# Altium PCB SeaBOX-PoE-HDMI-Stick.PcbDoc (part 2 of 2)
Units mm, origin at the board's own origin, x right, y up, seen from the top; angles counter-clockwise.
Board outline 66 x 66 mm, 4 copper layers (Top Layer, GND1, Power, Bottom), stack 1.57 mm thick; 62 components, 103 nets, 425 pads, 339 vias.
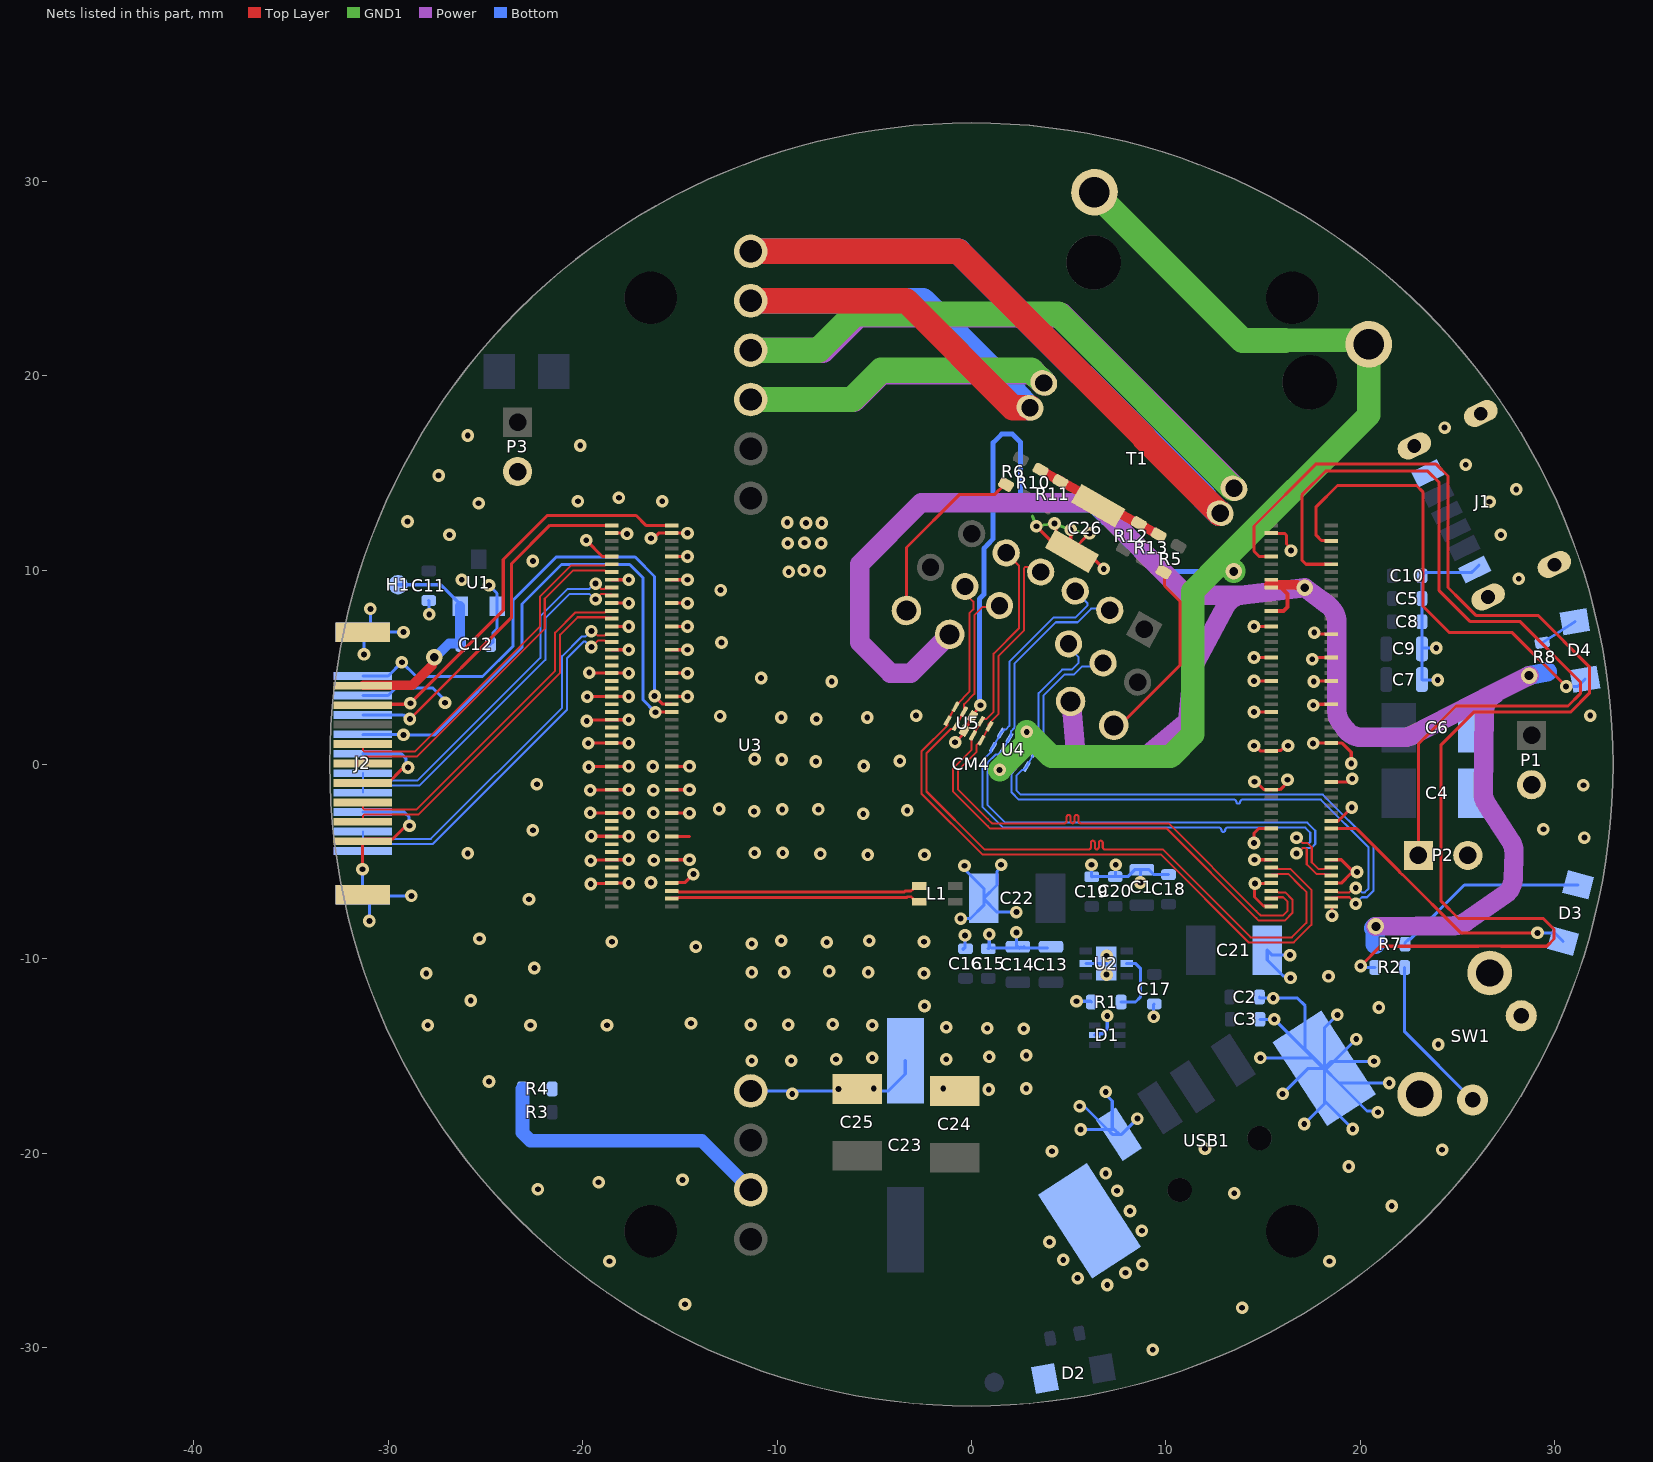
[diagram p4: the nets of this part, all layers, seen from the top]

## Via types
v1: diameter 0.65, hole 0.3, Top Layer to Bottom, tented both sides, 280 vias
v2: diameter 0.85, hole 0.45, Top Layer to Bottom, tented both sides, 59 vias

## Nets (pads, with @x,y where several pads share a name; then routed paths per layer and width w, separated by ;. In a path a pad name is that pad's centre, name@x,y a point inside that pad or via, vN(x,y) a via of type N, cw(c..) or ccw(c..) an arc to the next point about the centre after c; other vN are vias at no path point) (continued)
GND: C1.2 C2.2 C3.1 C4.2 C5.2 C6.2 C7.2 C8.2 C9.2 C10.2 C11.1 C12.1 C13.2 C14.2 C15.1 C16.1 C17.1 C18.1 C19.1 C20.1 C21.1 C22.1 C23.1 C24.1 C25.1 C26.1 CM4.1 CM4.2 CM4.7 CM4.8 CM4.13 CM4.14 CM4.22 CM4.23 CM4.32 CM4.33 CM4.42 CM4.43 CM4.52 CM4.53 CM4.59 CM4.60 CM4.65 CM4.66 CM4.71 CM4.74 CM4.98 CM4.107 CM4.108 CM4.113 CM4.114 CM4.119 CM4.120 CM4.125 CM4.126 CM4.131 CM4.132 CM4.137 CM4.138 CM4.144 CM4.150 CM4.155 CM4.156 CM4.161 CM4.162 CM4.167 CM4.168 CM4.173 CM4.174 CM4.179 CM4.180 CM4.185 CM4.186 CM4.191 CM4.192 CM4.197 CM4.198 D1.2 D2.C J1.A12 J1.B12 J1.S1 J1.S2 J1.S3 J1.S4 J2.0 J2.2 J2.5 J2.8 J2.11 J2.17 P1.2 P2.2 P3.2 R1.1 R4.2 SW1.1 SW1.PE1 SW1.PE2 U1.1 U2.5 U2.7 U3.7 USB1.G USB1.SH1 USB1.SH2 | length 200.7
  Top Layer w0.159: v1(-31.318,-5.385) -31.318,-3.967 -31.18,-3.829 -29.762,-3.829 -29.177,-3.244 -28.999,-3.244 v1(-28.905,-3.15) ; J2.8@-31.3,-0.949 -30,-0.949 -29.297,-0.246 -29.075,-0.246 v1(-28.981,-0.152) ; v1(-19.812,11.532) -18.98,10.7 CM4.192@-18.5,10.7 ; v1(-19.787,2.235) -19.742,2.279 -18.521,2.279 CM4.150@-18.5,2.3 v1(-17.628,2.3) ; v1(-19.761,3.48) -19.751,3.49 -18.51,3.49 CM4.156@-18.5,3.5 v1(-17.628,3.5) ; v1(-19.71,1.092) -19.707,1.096 -18.504,1.096 CM4.144@-18.5,1.1 v1(-17.628,1.1) ; v1(-19.685,-0.127) -19.671,-0.113 -18.513,-0.113 CM4.138@-18.5,-0.1 v1(-17.628,-0.1) ; v1(-19.66,4.724) -19.647,4.712 -18.512,4.712 CM4.162@-18.5,4.7 v1(-17.628,4.7) ; v1(-19.609,-2.489) -19.603,-2.495 -18.505,-2.495 CM4.126@-18.5,-2.5 v1(-17.628,-2.5) ; v1(-19.609,-1.321) -19.598,-1.31 -18.51,-1.31 CM4.132@-18.5,-1.3 v1(-17.628,-1.3) ; v1(-19.583,-6.147) -19.557,-6.121 -18.521,-6.121 CM4.108@-18.5,-6.1 v1(-17.628,-6.1) ; v1(-19.583,-4.953) -19.551,-4.921 -18.521,-4.921 CM4.114@-18.5,-4.9 v1(-17.628,-4.9) ; v1(-19.558,-3.683) -19.55,-3.691 -18.508,-3.691 CM4.120@-18.5,-3.7 v1(-17.628,-3.7) ; CM4.168@-18.5,5.9 v1(-17.628,5.9) ; CM4.174@-18.5,7.1 v1(-17.628,7.1) ; CM4.180@-18.5,8.3 v1(-17.628,8.3) ; CM4.186@-18.5,9.5 v1(-17.628,9.5) ; CM4.198@-18.5,11.9 -17.755,11.9 v1(-17.713,11.858) ; v1(-16.485,11.633) -16.352,11.633 -16.085,11.9 v1(-14.605,11.9) ; CM4.107@-15.42,-6.1 -15.399,-6.079 -14.741,-6.079 v1(-14.3,-5.639) ; CM4.113@-15.42,-4.9 v1(-14.503,-4.9) ; CM4.119@-15.42,-3.7 -14.503,-3.7 ; CM4.125@-15.42,-2.5 v1(-14.503,-2.5) ; CM4.131@-15.42,-1.3 v1(-14.503,-1.3) ; CM4.137@-15.42,-0.1 v1(-14.503,-0.1) ; CM4.155@-15.42,3.5 v1(-14.605,3.5) ; CM4.161@-15.42,4.7 v1(-14.605,4.7) ; CM4.167@-15.42,5.9 v1(-14.605,5.9) ; CM4.173@-15.42,7.1 v1(-14.605,7.1) ; CM4.179@-15.42,8.3 v1(-14.605,8.3) ; CM4.185@-15.42,9.5 v1(-14.605,9.5) ; CM4.191@-15.42,10.7 v1(-14.605,10.7) ; v1(3.34,12.256) 4.624,10.972 C26.1@5.167,10.972 ; v1(4.267,12.395) 4.349,12.313 4.349,11.79 C26.1@5.105,11.034 ; v1(5.105,12.065) C26.1@5.105,11.034 ; v1(6.071,11.887) 5.167,10.984 C26.1@5.167,10.972 ; v1(6.807,10.058) 6.8,10.058 5.886,10.972 C26.1@5.167,10.972 ; v1(14.529,-4.039) 14.529,-3.531 14.759,-3.3 CM4.22@15.42,-3.3 ; v1(14.529,0.963) 14.585,0.963 14.849,0.7 CM4.42@15.42,0.7 15.441,0.721 15.906,0.721 16.149,0.963 v1(16.281,0.963) ; v1(14.529,2.7) CM4.52@15.42,2.7 ; v1(14.529,4.3) CM4.60@15.42,4.3 ; v1(14.529,5.5) CM4.66@15.42,5.5 ; v1(14.529,7.1) CM4.74@15.42,7.1 ; v1(14.554,-4.902) v1(14.554,-4.902) 15.419,-4.901 CM4.14@15.42,-4.9 ; v1(14.554,-0.889) 14.631,-0.889 15.021,-1.279 CM4.32@15.42,-1.279 ; CM4.2@15.42,-7.3 15.399,-7.279 15.022,-7.279 14.554,-6.812 14.554,-6.147 v1(14.58,-6.121) 14.59,-6.111 15.409,-6.111 CM4.8@15.42,-6.1 ; CM4.32@15.42,-1.3 15.425,-1.295 15.875,-1.295 16.256,-0.914 v1(16.256,-0.787) ; CM4.98@15.42,11.9 15.441,11.879 16.112,11.879 16.205,11.786 16.205,11.337 16.434,11.108 v1(16.434,10.998) ; v1(17.526,5.41) 17.616,5.5 CM4.65@18.5,5.5 ; v1(17.571,1.086) 17.585,1.1 19.062,1.1 19.533,0.63 v1(19.533,0.051) ; v1(17.577,3.048) 17.629,3.1 CM4.53@18.5,3.1 ; v1(17.602,4.267) 17.635,4.3 CM4.59@18.5,4.3 ; v1(17.628,6.782) 17.692,6.717 18.483,6.717 CM4.71@18.5,6.7 ; CM4.1@18.5,-7.3 18.521,-7.3 18.542,-7.321 v1(18.542,-7.772) ; CM4.7@18.5,-6.1 19.021,-6.1 19.498,-5.623 19.738,-5.623 v1(19.832,-5.529) 19.832,-5.505 19.825,-5.499 v1@19.723,-5.499 ; CM4.13@18.5,-4.9 19.022,-4.9 19.558,-5.435 19.761,-5.435 v1@19.774,-5.448 ; CM4.23@18.5,-2.9 18.868,-2.9 18.936,-2.832 18.946,-2.832 19.082,-2.696 19.082,-2.686 v1(19.558,-2.21) ; CM4.33@18.5,-0.9 18.506,-0.894 19.426,-0.894 v1(19.583,-0.737) ; C26.1@5.105,11.034 C26.1@5.167,10.972
  GND1 w0.159: 3.129,12.767 v1(3.34,12.256) v1(4.267,12.395) v1(5.105,12.065) v1(6.071,11.887)
  Bottom w0.159: v1(-31.318,-5.385) -31.318,-6.681 J2.0@-31.3,-6.699 J2.0@-31.243,-6.756 ; J2.5@-31.3,-2.449 -29.174,-2.449 -28.929,-2.694 -28.929,-3.126 v1(-28.905,-3.15) ; J2.11@-31.3,0.551 -29.329,0.551 -29.075,0.297 -29.075,-0.058 v1(-28.981,-0.152) ; J2.17@-31.3,3.551 -30,3.551 -29.614,3.937 -27.706,3.937 -27.395,3.627 -27.076,3.308 v1(-27.076,3.175) ; v1(-31.242,5.664) -31.242,6.743 J2.0@-31.3,6.801 J2.0@-31.294,6.807 ; v1(-30.963,-8.052) -30.963,-7.037 J2.0@-31.243,-6.756 ; v1(-30.912,8.001) -30.912,7.189 J2.0@-31.294,6.807 ; v1(-29.21,6.807) J2.0@-31.294,6.807 ; v1(-28.804,-6.756) J2.0@-31.243,-6.756 ; C11.1@-27.915,8.433 -27.889,8.407 v1(-27.889,7.722) ; v1(-24.816,9.22) -24.399,8.804 U1.1@-24.399,8.147 -24.399,6.995 -24.603,6.792 -24.603,6.309 C12.1@-24.74,6.172 ; U3.7@-11.354,-16.789 -4.274,-16.789 -3.404,-15.919 C23.1@-3.404,-15.233 ; v1(-0.559,-7.925) -0.048,-7.925 0.635,-7.242 C22.1@0.635,-6.912 ; C16.1@-0.432,-9.525 C16.1@-0.381,-9.474 ; C16.1@-0.432,-9.461 -0.381,-9.461 C16.1@-0.381,-9.474 ; v1(-0.356,-5.207) -0.262,-5.301 -0.262,-5.479 0.635,-6.375 C22.1@0.635,-6.883 ; v1(-0.33,-8.788) -0.33,-9.423 C16.1@-0.381,-9.474 ; C15.1@0.864,-9.474 0.914,-9.423 v1(0.914,-8.738) ; C15.1@1.041,-9.436 C14.2@2.502,-9.436 ; v1(1.524,-5.156) 1.524,-5.289 1.318,-5.496 1.318,-6.201 C22.1@0.635,-6.883 ; v1(2.311,-8.636) 2.311,-9.296 C14.2@2.388,-9.373 ; v1(2.311,-7.595) 1.318,-7.595 C22.1@0.635,-6.912 ; C14.2@2.476,-9.461 C14.2@2.502,-9.436 ; C14.2@2.54,-9.398 C14.2@2.502,-9.436 ; C14.2@2.667,-9.398 C14.2@2.705,-9.36 ; C13.2@3.899,-9.436 C14.2@2.502,-9.436 ; v1(5.402,-12.177) 6.132,-12.177 R1.1@6.172,-12.217 ; v1(5.563,-17.577) 5.657,-17.671 5.893,-17.671 USB1.G@6.993,-18.771 ; v1(5.613,-18.771) USB1.G@6.993,-18.771 ; U2.5@5.884,-10.236 U2.7@6.934,-10.236 ; v1(6.172,-5.156) 6.172,-5.759 C19.1@6.189,-5.776 6.194,-5.771 7.386,-5.771 C20.1@7.391,-5.766 ; D1.2@6.335,-13.919 6.406,-13.849 6.725,-13.849 6.985,-13.589 v1(6.985,-12.929) ; v1(6.909,-16.84) 6.909,-16.973 7.24,-17.305 7.24,-18.668 USB1.G@7.343,-18.771 ; USB1.G@7.417,-18.845 USB1.G@7.343,-18.771 ; v1(7.417,-5.156) 7.417,-5.74 C20.1@7.391,-5.766 ; v1(8.534,-18.212) 7.724,-19.022 USB1.G@7.594,-19.022 ; v1(8.687,-6.071) 8.687,-5.486 C1.2@8.763,-5.41 ; v1(9.373,-12.979) 9.373,-12.344 C17.1@9.398,-12.319 ; C18.1@10.135,-5.664 9.387,-5.664 9.133,-5.41 C1.2@8.763,-5.41 ; C2.2@14.808,-11.963 14.859,-12.014 v1(15.519,-12.014) 16.764,-12.014 17.161,-12.412 17.161,-14.64 USB1.SH1@17.609,-15.088 ; C3.1@14.834,-13.106 v1(15.57,-13.106) USB1.SH1@17.551,-15.088 ; v1(14.859,-15.088) USB1.SH1@17.551,-15.088 ; v1(16.002,-16.942) 17.317,-15.627 USB1.SH1@18.09,-15.627 ; v1(16.383,-9.804) 15.469,-9.804 C21.1@15.215,-9.55 15.215,-10.058 16.035,-10.879 16.314,-10.879 v1(16.408,-10.973) ; v1(17.12,-18.491) 18.148,-17.463 USB1.SH1@18.148,-17.284 ; v1(18.821,-12.878) 18.148,-13.552 USB1.SH1@18.148,-15.627 ; v1(19.609,-18.745) USB1.SH1@18.148,-17.284 ; v1@19.678,-14.246 19.663,-14.246 USB1.SH1@18.644,-15.265 ; v1(20.701,-15.265) USB1.SH1@18.644,-15.265 ; v1(20.904,-17.882) 20.842,-17.82 20.341,-17.82 USB1.SH1@18.904,-16.383 ; v1(21.488,-16.383) USB1.SH1@18.904,-16.383 ; v1(23.901,5.994) 23.216,5.994 C9.2@23.165,5.944 ; v1(23.978,4.343) 23.19,4.343 C7.2@23.165,4.369 C9.2@23.165,5.944 ; J1.A12@26.104,10.251 J1.A12@25.88,10.027 25.733,9.88 23.342,9.88 C10.2@23.165,9.703 C5.2@23.165,8.534 C8.2@23.165,7.341 C9.2@23.165,5.944 ; C22.1@0.635,-6.912 C22.1@0.635,-6.883 ; USB1.G@6.993,-18.771 7.244,-19.022 USB1.G@7.594,-19.022 ; USB1.G@6.993,-18.771 USB1.G@7.343,-18.771 ; USB1.G@7.343,-18.771 USB1.G@7.594,-19.022 ; C20.1@7.391,-5.766 8.038,-5.766 8.393,-5.41 C1.2@8.763,-5.41 ; USB1.SH1@17.551,-15.088 USB1.SH1@17.609,-15.088 ; USB1.SH1@17.551,-15.088 USB1.SH1@18.09,-15.627 ; USB1.SH1@17.609,-15.088 USB1.SH1@18.148,-15.627 ; USB1.SH1@18.09,-15.627 USB1.SH1@18.148,-15.627 ; USB1.SH1@18.148,-17.284 USB1.SH1@18.148,-15.627 ; USB1.SH1@18.148,-15.627 18.282,-15.627 USB1.SH1@18.644,-15.265 ; USB1.SH1@18.148,-15.627 USB1.SH1@18.904,-16.383 ; USB1.SH1@18.148,-15.627 USB1.SH1@18.904,-16.383 ; USB1.SH1@18.148,-15.627 18.509,-15.265 USB1.SH1@18.644,-15.265
  other v1: 9.322,-30.099 13.919,-27.94 -14.732,-27.762 6.985,-26.772 5.461,-26.416 7.925,-26.137 8.788,-25.73 -18.618,-25.552 18.415,-25.552 4.724,-25.476 4.013,-24.562 8.763,-23.978 8.153,-22.962 21.615,-22.708 13.513,-22.047 7.493,-21.92 -22.301,-21.844 -19.177,-21.488 -14.859,-21.361 6.909,-21.031 19.406,-20.676 4.14,-19.888 24.206,-19.812 12.014,-19.761 -9.22,-16.942 0.889,-16.713 -6.833,-16.688 -5.029,-16.662 -1.448,-16.662 2.819,-16.662 -24.816,-16.307 -11.303,-15.24 -9.271,-15.24 -6.96,-15.164 -1.295,-15.164 -5.105,-15.088 0.914,-15.037 2.819,-14.961 24.003,-14.402 19.787,-14.122 2.692,-13.589 0.813,-13.564 -1.295,-13.513 -27.965,-13.411 -22.682,-13.411 -18.745,-13.411 -5.105,-13.411 -11.354,-13.386 -9.423,-13.386 -7.137,-13.36 -14.427,-13.31 20.955,-12.497 -2.413,-12.421 -25.756,-12.141 18.364,-10.897 6.951,-10.805 -28.042,-10.744 -2.438,-10.744 -11.303,-10.693 -9.627,-10.693 -5.309,-10.693 -7.315,-10.643 -22.479,-10.465 6.951,-9.84 -14.173,-9.373 -11.303,-9.22 -7.442,-9.144 -18.491,-9.119 -2.438,-9.119 -9.779,-9.068 -5.258,-9.068 -25.298,-8.966 -22.758,-6.934 -16.485,-6.071 -16.332,-4.928 -5.334,-4.648 -2.413,-4.648 -7.772,-4.597 -25.908,-4.572 -11.151,-4.547 -9.703,-4.547 31.521,-3.759 -16.358,-3.683 -22.555,-3.378 29.413,-3.327 -5.563,-2.54 -16.358,-2.489 -11.176,-2.413 -3.302,-2.362 -9.728,-2.311 -7.874,-2.311 -12.979,-2.286 -16.358,-1.321 31.471,-1.067 -22.352,-1.016 -16.383,-0.102 -5.537,-0.076 -8.001,0.152 -3.683,0.178 -9.754,0.254 -11.151,0.279 -7.976,2.337 -9.779,2.413 -5.359,2.413 -12.929,2.489 -2.845,2.515 31.826,2.515 -7.188,4.267 -10.82,4.445 -12.852,6.274 -12.903,8.966 -26.213,9.5 28.143,9.55 -9.398,9.906 -7.798,9.931 -8.611,9.982 -22.555,10.465 -9.449,11.379 -7.722,11.379 -8.585,11.405 -26.848,11.811 27.229,11.811 -8.509,12.421 -7.696,12.421 -9.474,12.446 -29.007,12.497 -25.349,13.437 26.645,13.513 -20.244,13.538 -15.9,13.538 -18.136,13.716 28.016,14.148 -27.407,14.859 25.425,15.418 -20.117,16.408 -25.908,16.916 24.333,17.323
GPIO_VRef_3V3: CM4.78 CM4.84 CM4.86 R7.2 R8.2 T1.18 T1.19 | length 95.8
  Top Layer w0.2: CM4.78@15.42,7.9 16.053,7.9 16.256,8.103 16.256,8.763 15.769,9.25 15.723,9.25
  Top Layer w0.5: 15.291,9.25 15.723,9.25 ; 15.769,9.25 16.741,9.25 16.831,9.16 17.078,9.16 v2(17.145,9.093)
  Power w1: T1.19@-1.122,6.689 -3.112,4.699 -4.166,4.699 -5.74,6.274 -5.74,10.312 -2.591,13.462 6.325,13.462 11.088,8.698 13.854,8.698 ; T1.18@5.096,3.242 5.14,3.205 5.397,0.33 8.482,0.33 8.848,0.33 9.127,0.566 11.119,2.249 11.384,4.833 cw(c12.379,4.731) 11.497,5.202 13.089,8.177 cw(c13.971,7.705) 13.854,8.698 ; 18.344,8.199 cw(c17.746,7.398) 18.649,7.826 18.699,7.722 ; 18.343,8.2 v2(17.145,9.093) 13.854,8.698 ; 18.699,7.721 cw(c17.796,7.292) 18.796,7.29 18.796,2.746 18.796,2.744 ccw(c19.796,2.746) 18.996,2.146 19.258,1.797 ; 19.259,1.796 ccw(c20.058,2.397) 20.058,1.397 22.213,1.397 ccw(c22.213,2.397) 22.668,1.506 26.879,3.655 v2(28.677,4.572) ; v2(20.803,-8.331) 24.839,-8.284 ccw(c24.826,-7.284) 25.399,-8.104 27.428,-6.687 ccw(c26.856,-5.867) 27.856,-5.902 27.904,-4.533 ccw(c26.904,-4.497) 27.743,-3.953 26.48,-2.008 cw(c27.319,-1.463) 26.319,-1.45 26.319,-1.448 26.382,2.743 cw(c27.382,2.728) 26.904,3.607
  Bottom w1: v2@20.701,-8.433 v2@20.777,-8.357 ; R7.2@20.777,-9.246 v2@20.777,-8.357 ; v2(20.803,-8.331) v2@20.777,-8.357 ; v2(28.677,4.572) R8.2@29.622,4.761
H5V: C12.2 H1.1 J2.18 U1.2 | length 13.7
  Top Layer w0.5: J2.18@-31.281,4.07 -28.785,4.07 -27.702,5.153 -27.702,5.445 v2(-27.635,5.512)
  Bottom w0.16: H1.1@-29.489,9.246 -27.298,9.246 -26.619,8.567 -26.299,8.247 U1.2@-26.299,8.147 -26.264,8.112 -26.264,6.274 -26.264,6.194 C12.2@-26.264,6.172
  Bottom w0.5: v2(-27.635,5.512) -27.584,5.512 -26.873,6.223 -26.293,6.223 C12.2@-26.264,6.194 ; U1.2@-26.299,8.147 -26.299,6.309 C12.2@-26.264,6.274
HDMI0_CEC: CM4.151 J2.13 | length 27.6
  Top Layer w0.159: v1(-16.256,2.691) -16.256,2.692 -16.252,2.696 -15.424,2.696 CM4.151@-15.42,2.7
  Bottom w0.159: J2.13@-31.3,1.551 -31.287,1.537 v1@-29.223,1.537 ; v1(-29.21,1.524) -27.61,1.524 -23.114,6.02 -23.114,8.255 -21.082,10.287 -17.577,10.287 -16.885,9.595 -16.885,3.32 v1(-16.256,2.691)
HDMI0_CLK_N: CM4.190 J2.12 | length 18
  Top Layer w0.104: J2.12@-31.3,1.051 -31.3,0.74 -31.239,0.679 -28.614,0.679 -22.202,7.091 -22.202,8.634 -20.607,10.228 -18.859,10.228 -18.835,10.252 -18.548,10.252 CM4.190@-18.5,10.3
HDMI0_CLK_P: CM4.188 J2.10 | length 18
  Top Layer w0.104: J2.10@-31.3,0.051 -31.3,0.362 -31.239,0.423 -28.508,0.423 -21.946,6.985 -21.946,8.527 -20.501,9.972 -18.859,9.972 -18.835,9.948 -18.548,9.948 CM4.188@-18.5,9.9
HDMI0_HPD_5V: CM4.153 J2.19 | length 27.1
  Top Layer w0.159: v1(-16.298,3.52) -15.883,3.106 -15.426,3.106 CM4.153@-15.42,3.1
  Bottom w0.159: J2.19@-31.3,4.551 -30,4.551 v1(-29.293,5.258) -28.556,4.521 -25.146,4.521 -23.571,6.096 -23.571,8.458 -21.361,10.668 -17.297,10.668 -16.298,9.668 v1(-16.298,3.52)
HDMI0_SCL: CM4.200 J2.15 | length 18.6
  Top Layer w0.159: v1(-28.88,2.337) -23.647,7.569 -23.647,10.338 -21.685,12.3 CM4.200@-18.5,12.3
  Bottom w0.159: J2.15@-31.3,2.551 -29.227,2.551 -29.013,2.337 v1(-28.88,2.337)
HDMI0_SDA: CM4.199 J2.16 | length 21.7
  Top Layer w0.159: J2.16@-31.3,3.051 -31.252,3.098 -28.906,3.098 v1(-28.859,3.146) -24.079,7.926 -24.079,10.541 -21.819,12.802 -17.247,12.802 -16.745,12.3 CM4.199@-15.42,12.3
HDMI0_TX0_N: CM4.184 J2.9 | length 18.7
  Top Layer w0.104: v1(-19.329,9.301) -19.323,9.301 -19.05,9.028 -18.872,9.028 -18.848,9.052 -18.548,9.052 CM4.184@-18.5,9.1
  Bottom w0.104: J2.9@-31.3,-0.449 -31.3,-0.76 -31.239,-0.821 -28.482,-0.821 -22.174,5.486 -22.174,7.625 -20.771,9.028 -19.65,9.028 -19.377,9.301 v1(-19.329,9.301)
HDMI0_TX0_P: CM4.182 J2.7 | length 18.7
  Top Layer w0.104: v1(-19.327,8.499) -19.323,8.499 -19.05,8.772 -18.872,8.772 -18.848,8.748 -18.548,8.748 CM4.182@-18.5,8.7
  Bottom w0.104: J2.7@-31.3,-1.449 -31.3,-1.138 -31.239,-1.077 -28.375,-1.077 -21.918,5.38 -21.918,7.518 -20.665,8.771 -19.649,8.771 -19.376,8.499 v1(-19.327,8.499)
HDMI0_TX1_N: CM4.178 J2.6 | length 18.5
  Top Layer w0.104: J2.6@-31.3,-1.949 -31.3,-2.26 -31.239,-2.321 -28.55,-2.321 -21.409,4.819 -21.409,6.784 -20.365,7.828 -18.859,7.828 -18.835,7.852 -18.548,7.852 CM4.178@-18.5,7.9
HDMI0_TX1_P: CM4.176 J2.4 | length 18.5
  Top Layer w0.104: J2.4@-31.3,-2.949 -31.3,-2.638 -31.239,-2.577 -28.443,-2.577 -21.153,4.713 -21.153,6.678 -20.259,7.572 -18.859,7.572 -18.835,7.548 -18.548,7.548 CM4.176@-18.5,7.5
HDMI0_TX2_N: CM4.172 J2.3 | length 19.2
  Top Layer w0.104: v1(-19.545,6.858) -19.441,6.858 -19.211,6.628 -18.99,6.628 -18.859,6.628 -18.835,6.652 -18.548,6.652 CM4.172@-18.5,6.7
  Bottom w0.104: J2.3@-31.3,-3.449 -31.3,-3.76 -31.239,-3.821 -27.799,-3.821 -21.057,2.921 -21.057,5.577 -20.054,6.58 -19.861,6.58 -19.583,6.858 v1(-19.545,6.858)
HDMI0_TX2_P: CM4.170 J2.1 | length 19.3
  Top Layer w0.104: v1(-19.546,6.045) -19.219,6.372 -18.859,6.372 -18.835,6.348 -18.548,6.348 CM4.170@-18.5,6.3
  Bottom w0.104: J2.1@-31.3,-4.449 -31.3,-4.138 -31.239,-4.077 -27.692,-4.077 -20.8,2.815 -20.8,5.471 -19.948,6.323 -19.862,6.323 -19.583,6.045 v1(-19.546,6.045)
HDMI1_CLK_N: CM4.166
HDMI1_CLK_P: CM4.164
HDMI1_TX0_N: CM4.160
HDMI1_TX0_P: CM4.158
HDMI1_TX1_N: CM4.154
HDMI1_TX1_P: CM4.152
HDMI1_TX2_N: CM4.148
HDMI1_TX2_P: CM4.146
LED_Active: CM4.21 D3.C | length 14.3
  Top Layer w0.159: CM4.21@18.5,-3.3 19.81,-3.3 22.005,-5.495 22.005,-5.52 22.141,-5.655 22.165,-5.655 25.171,-8.661 v1(29.108,-8.661)
  Bottom w0.159: v1(29.108,-8.661) 29.989,-8.661 D3.C@30.422,-9.094
LED_PWR: CM4.95 D4.C | length 24.5
  Top Layer w0.159: CM4.95@18.5,11.5 18.479,11.521 17.994,11.521 17.729,11.786 17.729,13.259 18.821,14.351 22.885,14.351 23.216,14.021 23.216,8.153 24.587,6.782 27.813,6.782 v1(30.582,4.013)
  Bottom w0.159: v1(30.582,4.013) 31.176,4.013 D4.C@31.553,4.39
NetC26_2: C26.2 R10.1 R11.1 R12.1 R13.1 | length 7.2
  Top Layer w0.159: R11.1@4.584,14.575 R11.1@4.797,14.458
  Top Layer w0.5: R10.1@3.556,15.138 4.584,14.575 6.603,13.468 8.599,12.374 R13.1@9.627,11.811
NetD3_A: D3.A R7.1 | length 10.2
  Bottom w0.159: R7.1@22.301,-9.246 22.301,-9.177 22.497,-8.981 22.566,-8.981 25.35,-6.196 D3.A@31.198,-6.196
NetD4_A: D4.A R8.1 | length 2
  Bottom w0.159: R8.1@29.357,6.262 D4.A@31.032,7.345
NetR1_2: R1.2 U2.2 | length 3.4
  Bottom w0.159: R1.2@7.696,-12.217 8.435,-12.217 8.687,-11.965 8.687,-10.473 8.455,-10.24 7.989,-10.24 U2.2@7.984,-10.236
NetR2_2: R2.2 SW1.2 | length 8.3
  Bottom w0.159: R2.2@22.276,-10.439 22.276,-13.753 SW1.2@25.776,-17.253
NetR3_2: R3.2 R4.1 U3.9 | length 15.2
  Bottom w0.7: R4.1@-23.089,-16.688 -23.089,-18.945 -22.679,-19.355 -13.868,-19.355 U3.9@-11.354,-21.869
NetR5_2: R5.2 T1.17 | length 9.8
  Top Layer w0.159: T1.17@7.318,2.01 7.639,2.01 10.719,5.09 10.719,8.407 9.931,9.195 9.931,9.856 R5.2@9.881,9.906
NetR6_2: R6.2 T1.20 | length 9.7
  Top Layer w0.159: T1.20@-3.344,7.92 -3.344,11.16 -0.61,13.894 1.198,13.894 1.706,14.402 R6.2@1.778,14.402
PCIE_CLK_N: CM4.112
PCIE_CLK_P: CM4.110
PCIE_RX_N: CM4.118
PCIE_RX_P: CM4.116
PCIE_TX_N: CM4.124
PCIE_TX_P: CM4.122
RESET: CM4.92 R2.1 | length 64.9
  Top Layer w0.159: CM4.92@15.42,10.7 14.802,10.7 14.529,10.973 14.529,12.268 17.707,15.446 23.898,15.446 24.511,14.834 24.511,9.1 25.221,8.39 ; v1(20.015,-10.363) 21.031,-9.347 26.08,-9.347 26.089,-9.338 27.233,-9.338 27.242,-9.347 29.587,-9.347 29.957,-8.978 29.957,-8.468 29.413,-7.925 25.044,-7.925 24.155,-7.036 24.155,1.016 25.832,2.692 30.81,2.692 31.775,3.658 31.775,5.029 29.134,7.671 25.94,7.671 25.221,8.39
  Bottom w0.159: v1(20.015,-10.363) 20.091,-10.439 R2.1@20.752,-10.439
Shield: T1.S1 T1.S2 U4.3@2.388,1.118 U4.8@1.97,0.394 U5.3@-0.361,1.747 U5.8@0.056,2.47 | length 89.8
  Top Layer w0.159: v1(-0.838,1.143) -0.361,1.62 U5.3@-0.361,1.747 U5.8@0.056,2.47 0.056,2.574 0.457,2.974 v1(0.457,3.048)
  GND1 w1.2: v1(1.448,-0.279) 2.845,1.118 v1(2.845,1.676) 4.115,0.406 10.236,0.406 11.379,1.549 11.379,8.915 12.954,10.49 ; v2(13.487,9.931) 13.487,9.957 12.954,10.49 ; 16.122,21.811 20.231,21.811 T1.S2@20.434,21.609 20.434,17.97 12.954,10.49
  GND1 w1.3: T1.S1@6.326,29.429 13.944,21.811 16.122,21.811
  Bottom w0.159: v1(1.448,-0.279) U4.8@1.97,0.394 U4.3@2.388,1.118 v1(2.845,1.676)
  Bottom w0.254: v1(0.457,3.048) 0.406,3.099 0.406,8.509 0.647,8.749 0.647,11.119 0.807,11.28 0.807,11.29 1.118,11.6 1.118,16.554 1.551,16.987 2.114,16.987 2.515,16.586 2.515,13.665 3.099,13.081 6.147,13.081 6.782,12.446 6.833,12.446 9.347,9.931 v2(13.487,9.931)
TRD0_N: CM4.10 T1.10 U5.2 U5.9 | length 39.8
  Top Layer w0.104: T1.10@1.443,8.171 1.378,8.106 0.587,8.106 0.152,7.671 0.152,3.636 -0.377,3.107 U5.9@-0.377,2.72 U5.2@-0.794,1.997 -0.794,1.992 -0.952,1.834 -1.051,1.834 -2.311,0.574 -2.311,-1.39 0.665,-4.366 5.817,-4.366 6.036,-4.366 ccw(c6.036,-4.263) 6.14,-4.263 6.14,-4.02 cw(c6.242,-4.02) 6.242,-3.918 cw(c6.242,-4.02) 6.344,-4.02 6.344,-4.264 ccw(c6.446,-4.264) 6.446,-4.366 ccw(c6.446,-4.264) 6.548,-4.264 6.548,-4.02 cw(c6.65,-4.02) 6.65,-3.918 cw(c6.65,-4.02) 6.752,-4.02 6.752,-4.263 ccw(c6.856,-4.263) 6.856,-4.366 7.112,-4.366 9.834,-4.366 14.356,-8.888 16.48,-8.888 17.221,-8.146 17.221,-6.553 16.891,-6.223 16.296,-5.628 15.779,-5.628 15.755,-5.652 15.468,-5.652 CM4.10@15.42,-5.7
TRD0_P: CM4.12 T1.11 U5.1 U5.10 | length 39.8
  Top Layer w0.104: T1.11@-0.332,9.155 -0.332,8.806 0.098,8.375 0.098,7.979 -0.104,7.777 -0.104,3.742 -0.74,3.106 U5.1@-1.227,2.247 -1.227,2.021 -2.568,0.681 -2.568,-1.496 0.559,-4.623 9.728,-4.623 14.249,-9.144 16.586,-9.144 17.478,-8.253 17.478,-6.447 17.072,-6.042 16.402,-5.372 15.779,-5.372 15.755,-5.348 15.468,-5.348 CM4.12@15.42,-5.3
TRD1_N: CM4.6 T1.5 U5.4 U5.7 | length 36.3
  Top Layer w0.104: T1.5@1.787,10.884 2.438,10.233 2.438,6.992 1.143,5.697 1.143,2.713 0.779,2.349 0.619,2.349 U5.7@0.489,2.22 U5.4@0.072,1.497 -0.002,1.423 -0.002,0.74 -0.942,-0.2 -0.942,-1.395 0.838,-3.175 0.943,-3.28 10.03,-3.28 14.653,-7.903 14.778,-8.029 16.108,-8.029 16.512,-7.625 16.512,-6.951 16.134,-6.572 15.779,-6.572 15.755,-6.548 15.468,-6.548 CM4.6@15.42,-6.5
TRD1_P: CM4.4 T1.4 U5.5 U5.6 | length 36.3
  Top Layer w0.104: T1.4@3.562,9.9 3.314,10.148 2.757,10.148 2.695,10.086 2.695,6.886 1.399,5.59 1.399,2.607 0.885,2.093 0.885,2.006 U5.6@0.922,1.97 cw(c0.821,1.991) 0.91,1.938 U5.5@0.505,1.247 0.254,0.996 0.254,0.634 -0.686,-0.307 -0.686,-1.288 0.838,-2.812 1.019,-2.994 1.049,-3.024 4.521,-3.024 4.792,-3.024 ccw(c4.792,-2.92) 4.896,-2.92 4.896,-2.698 cw(c4.998,-2.698) 4.998,-2.596 cw(c4.998,-2.698) 5.1,-2.698 5.1,-2.922 ccw(c5.202,-2.922) 5.202,-3.024 ccw(c5.202,-2.922) 5.304,-2.922 5.304,-2.698 cw(c5.406,-2.698) 5.406,-2.596 cw(c5.406,-2.698) 5.508,-2.698 5.508,-2.92 ccw(c5.611,-2.92) 5.611,-3.024 5.867,-3.024 10.136,-3.024 14.653,-7.541 14.834,-7.722 14.884,-7.772 16.002,-7.772 16.256,-7.518 16.256,-7.057 16.027,-6.828 15.779,-6.828 15.755,-6.852 15.468,-6.852 CM4.4@15.42,-6.9
TRD2_N: CM4.9 T1.2 U4.2 U4.9 | length 36.2
  Top Layer w0.104: v1(16.713,-4.572) 16.761,-4.572 17.034,-4.299 17.183,-4.299 17.244,-4.36 17.244,-5.135 17.737,-5.628 18.141,-5.628 18.165,-5.652 18.452,-5.652 CM4.9@18.5,-5.7
  Bottom w0.104: T1.2@7.113,7.932 7.035,8.011 6.157,8.011 5.462,7.315 4.343,7.315 2.201,5.173 2.201,1.876 2.036,1.711 2.036,1.449 U4.2@1.955,1.368 U4.9@1.537,0.644 1.408,0.515 1.247,0.515 0.813,0.08 0.813,-2.076 1.732,-2.995 17.277,-2.995 17.681,-3.399 17.681,-4.088 17.47,-4.299 17.034,-4.299 16.761,-4.572 v1(16.713,-4.572)
TRD2_P: CM4.11 T1.3 U4.1 U4.10 | length 36.2
  Top Layer w0.104: v1(16.713,-3.77) 16.761,-3.77 17.034,-4.043 17.29,-4.043 17.501,-4.254 17.501,-5.029 17.843,-5.372 18.141,-5.372 18.165,-5.348 18.452,-5.348 CM4.11@18.5,-5.3
  Bottom w0.104: T1.3@5.338,8.916 5.976,8.278 5.976,8.192 5.356,7.572 4.237,7.572 1.945,5.279 1.945,1.982 1.756,1.793 1.679,1.793 1.522,1.636 U4.1@1.522,1.618 U4.10@1.104,0.894 0.995,0.786 0.995,0.625 0.556,0.187 0.556,-2.182 1.626,-3.251 12.116,-3.251 12.744,-3.251 cw(c12.744,-3.355) 12.848,-3.355 12.848,-3.368 ccw(c12.95,-3.368) 12.95,-3.47 ccw(c12.95,-3.368) 13.052,-3.368 13.052,-3.355 cw(c13.156,-3.355) 13.156,-3.251 13.208,-3.251 17.17,-3.251 17.424,-3.505 17.424,-3.982 17.364,-4.043 17.034,-4.043 16.761,-3.77 v1(16.713,-3.77)
TRD3_N: CM4.5 T1.9 U4.4 U4.7 | length 33.8
  Top Layer w0.104: CM4.5@18.548,-6.548 18.835,-6.548 18.859,-6.572 19.44,-6.572 19.713,-6.299 19.759,-6.299 19.761,-6.301 v1(19.761,-6.35)
  Bottom w0.104: T1.9@4.994,6.202 4.994,6.028 5.512,5.51 5.512,5.232 5.159,4.879 4.669,4.879 3.454,3.665 3.454,1.341 3.11,0.997 2.95,0.997 U4.4@2.821,0.868 U4.7@2.403,0.144 2.324,0.066 2.324,-0.196 2.252,-0.268 2.057,-0.463 2.057,-1.434 2.433,-1.809 12.421,-1.809 13.516,-1.809 cw(c13.516,-1.913) 13.62,-1.913 ccw(c13.722,-1.913) 13.722,-2.015 ccw(c13.722,-1.913) 13.824,-1.913 cw(c13.928,-1.913) 13.928,-1.809 13.98,-1.809 17.964,-1.809 20.422,-4.267 20.422,-6.387 20.237,-6.572 20.082,-6.572 19.809,-6.299 19.761,-6.299 v1(19.761,-6.35)
TRD3_P: CM4.3 T1.8 U4.5 U4.6 | length 33.7
  Top Layer w0.104: CM4.3@18.548,-6.852 18.835,-6.852 18.859,-6.828 19.44,-6.828 19.713,-7.101 v1@19.761,-7.101 ; v1(19.761,-7.163) v1@19.761,-7.101
  Bottom w0.104: T1.8@6.769,5.218 6.602,5.051 5.693,5.051 5.265,4.623 4.775,4.623 3.711,3.558 3.711,1.235 3.362,0.887 3.362,0.726 U4.5@3.254,0.618 U4.6@2.836,-0.106 2.836,-0.123 2.679,-0.281 2.601,-0.281 2.314,-0.569 2.314,-1.328 2.539,-1.553 18.07,-1.553 20.678,-4.161 20.678,-6.493 20.343,-6.828 20.082,-6.828 19.809,-7.101 v1@19.761,-7.101 ; v1(19.761,-7.163) v1@19.761,-7.101
USB2_N: CM4.103 L1.2 | length 12.9
  Top Layer w0.138: CM4.103@-15.42,-6.9 -15.389,-6.869 -15.082,-6.869 -15.058,-6.845 -3.335,-6.845 -3.29,-6.8 -3.107,-6.8 L1.2@-3.026,-6.881 ; L1.2@-3.026,-6.882 -2.853,-7.055 L1.2@-2.678,-7.055
USB2_P: CM4.105 L1.1 | length 12.9
  Top Layer w0.138: CM4.105@-15.42,-6.5 -15.389,-6.531 -15.082,-6.531 -15.058,-6.555 -3.455,-6.555 -3.41,-6.51 -3.107,-6.51 L1.1@-3.026,-6.429 ; L1.1@-3.026,-6.428 -2.853,-6.255 L1.1@-2.678,-6.255
VC1: T1.13 U3.1 | length 59.5
  Top Layer w1.3: U3.1@-11.354,26.391 -0.674,26.391 8.897,16.819 8.897,16.756 12.728,12.925 T1.13@12.791,12.925
  Bottom w1.3: U3.1@-11.354,26.391 -0.66,26.391 12.006,13.724 12.006,13.647 12.728,12.925 T1.13@12.791,12.925
VC2: T1.14 U3.2 | length 33.3
  Top Layer w1.3: U3.2@-11.354,23.851 -3.378,23.851 2.127,18.346 T1.14@3.013,18.346
  Bottom w1.3: U3.2@-11.354,23.851 -2.492,23.851 2.227,19.131 2.227,19.068 2.95,18.346 T1.14@3.013,18.346
VC3: T1.15 U3.3 | length 58.6
  Power w1.3: U3.3@-11.354,21.311 -7.645,21.311 -5.842,23.114 4.587,23.114 T1.15@13.499,14.202
  GND1 w1.3: U3.3@-11.354,21.311 -7.874,21.311 -6.02,23.165 4.47,23.165 13.433,14.202 T1.15@13.499,14.202
VC4: T1.16 U3.4 | length 31.9
  Power w1.3: U3.4@-11.354,18.771 -6.071,18.771 -4.648,20.193 3.15,20.193 T1.16@3.72,19.623
  GND1 w1.3: U3.4@-11.354,18.771 -6.147,18.771 -4.648,20.269 3.074,20.269 T1.16@3.72,19.623
"WiFi OFF": CM4.89 P2.1 | length 43.3
  Top Layer w0.159: CM4.89@18.5,10.3 17.208,10.3 17.146,10.363 16.991,10.518 16.991,13.866 18.212,15.088 23.471,15.088 24.054,14.505 24.054,8.941 25.635,7.359 28.201,7.359 31.318,4.242 31.318,3.641 30.681,3.004 24.924,3.004 22.987,1.067 P2.1@22.987,-4.674
pads on no net: CM4.0 CM4.16 CM4.18 CM4.19 CM4.20 CM4.24 CM4.25 CM4.26 CM4.27 CM4.28 CM4.29 CM4.30 CM4.31 CM4.34 CM4.35 CM4.36 CM4.37 CM4.38 CM4.39 CM4.40 CM4.41 CM4.44 CM4.45 CM4.46 CM4.47 CM4.48 CM4.49 CM4.50 CM4.51 CM4.54 CM4.55 CM4.56 CM4.57 CM4.58 CM4.61 CM4.62 CM4.63 CM4.64 CM4.67 CM4.68 CM4.69 CM4.70 CM4.72 CM4.73 CM4.75 CM4.76 CM4.80 CM4.82 CM4.88 CM4.90 CM4.93 CM4.94 CM4.96 CM4.97 CM4.99 CM4.100 CM4.101 CM4.102 CM4.104 CM4.106 CM4.109 CM4.111 CM4.143 CM4.145 CM4.147 CM4.149 J1.A5 J1.B5 J2.14 T1.MH1 T1.MH2 U2.3 U3.5 U3.6 U3.10 U4.3@2.388,1.118 U4.8@1.97,0.394 U5.3@-0.361,1.747 U5.8@0.056,2.47 USB1.7 USB1.8

## Polygon pours and split planes (outlines as drawn)
GND on Top Layer "GND_L01_P000" (solid, remove dead copper, pour order 0): -0.102,-32.617 cw(c-0.102,0.149) -32.868,0.149 cw(c-0.102,0.149) -0.102,32.915 cw(c-0.102,0.149) 32.664,0.149 cw(c-0.102,0.149)
5V on Top Layer "5V_L01_P007" (solid, remove dead copper, pour order 7): -11.379,-30.226 -11.379,-19.329 26.822,-19.228 26.808,-19.228 cw(c1.075,-1.671)
GND on Bottom "GND_L04_P001" (solid, remove dead copper, pour order 1): -0.102,-32.617 cw(c-0.102,0.149) -32.868,0.149 cw(c-0.102,0.149) -0.102,32.915 cw(c-0.102,0.149) 32.664,0.149 cw(c-0.102,0.149)
5V on Bottom "5V_L04_P006" (solid, remove dead copper, pour order 6): 23.371,13.347 20.054,13.347 20.041,13.36 19.456,12.776 19.456,2.261 20.32,1.397 20.32,-2.718 21.082,-3.48 23.393,-3.48 23.927,-2.946 23.927,2.667 23.444,3.15 22.581,3.15 22.25,3.48 22.25,10.109 22.657,10.516 23.901,10.516 24.05,10.664 24.05,11.027 23.368,11.709 23.371,11.713
5V on Bottom "5V_L04_P008" (solid, remove dead copper, pour order 8): -11.76,-30.353 -11.76,-19.456 26.441,-19.355 26.427,-19.355 cw(c0.694,-1.798)
GND on Power "GND_L03_P011" (solid, remove dead copper, pour order 11): -18.44,12.37 -22.2,12.37 -26.34,8.23 -32.004,8.23 -32.004,-4.064 -30.709,-5.359 -25.527,-5.359 -18.44,1.727
5V on Power "5V_L03_P010" (solid, remove dead copper, pour order 10): -0.102,-32.766 cw(c-0.102,0) -32.868,0 cw(c-0.102,0) -0.102,32.766 cw(c-0.102,0) 32.664,0 cw(c-0.102,0)
GND on Power "GND_L03_P013" (solid, remove dead copper, pour order 13): 7.493,10.414 4.369,10.414 4.369,9.398 4.394,9.373 0.737,5.715 0.508,5.715 0.508,2.845 0.813,2.54 -0.991,0.737 -0.991,-2.845 0.076,-3.912 0.076,-4.013 15.443,-4.013 15.951,-4.521 15.951,-5.232 16.231,-5.512 18.694,-5.512 18.694,-7.772 19.228,-8.306 19.304,-8.23 20.523,-8.23 21.285,-7.468 21.285,-3.607 18.669,-0.991 4.623,-0.991 4.013,-0.381 4.013,0.432 4.064,0.432 7.62,3.988 10.77,7.137
GND on Power "GND_L03_P014" (solid, remove dead copper, pour order 14): 9.627,-11.76 5.156,-11.76 3.912,-13.005 3.912,-15.24 4.877,-16.205 7.595,-16.205 7.595,-16.231 9.068,-17.704 9.068,-18.263 11.811,-18.263 12.471,-17.602 12.471,-16.561 10.719,-14.808 10.719,-13.945 9.957,-13.183 9.627,-12.522
GND on GND1 "GND_L02_P009" (solid, remove dead copper, pour order 9): 0.051,-32.715 cw(c0.051,0.051) -32.715,0.051 cw(c0.051,0.051) 0.051,32.817 cw(c0.051,0.051) 32.817,0.051 cw(c0.051,0.051)

## Keep-outs
Keep-Out Layer:
  lines w0.25: -33,0 cw(c0,0) 0,33 cw(c0,0) 33,0 cw(c0,0) 0,-33 cw(c0,0) -33,0
  lines w0.254: 32.898,0.102 cw(c-0.102,0.102) 32.898,0.152 ccw(c-0.102,0.102) 32.898,0.102

## Other copper
Top Layer:
  rectangle net 5V: 18.5,7.899 19.736,9.9
  pour cut-out: -9.906,6.913 -13.894,10.901 -13.894,14.05 -16.332,16.489 -18.593,16.489 -21.285,19.181 -21.285,25.175 -21.209,25.175 cw(c-0.064,1.439) 23.673,22.585 23.673,20.349 17.628,14.304 16.256,14.304 14.148,12.196 14.148,6.506 10.592,2.95 10.592,1.096 9.042,-0.453 4.242,-0.453 0.152,3.636 -3.912,3.636 -7.188,6.913
  pour cut-out: -15.42,-6.1 -14.832,-5.512 3.327,-5.512 4.826,-7.01 4.826,-10.389 6.477,-12.04 6.477,-14.605 5.664,-15.418 4.75,-15.418 3.785,-14.453 3.785,-13.31 2.921,-12.446 2.921,-9.017 2.819,-9.017 1.346,-7.544 -15.443,-7.544 -15.443,-6.123
  region net GND: -11.544,-16.84 -11.214,-17.17 3.467,-17.17 3.467,-14.237 1.397,-12.167 -1.41,-12.167 -2.019,-11.557 -2.019,-8.788 -11.544,-8.788
  pour cut-out: 15.42,-3.3 18.5,-3.3 18.5,-8.721 18.567,-8.788 17.475,-9.881 13.691,-9.881 9.347,-5.537 -0.356,-5.537 -4.089,-1.803 -4.089,1.575 -1.905,3.759 -1.93,3.785 -1.93,8.255 -1.295,8.89 -1.295,10.109 -0.787,10.617 0.127,10.617 1.219,11.709 3.658,11.709 4.877,10.49 4.394,10.008 4.394,7.391 2.489,5.486 2.489,2.464 2.057,1.753 2.057,1.118 2.057,-1.575 2.362,-1.88 11.633,-1.88 13.054,-3.3
  pour cut-out: -31.826,0.821 -29.687,2.317 -20.905,11.1 -18.136,11.1 -18.136,2.172 -21.73,2.172 -27.635,-3.734 -27.635,-8.255 -28.753,-9.373 -31.826,-9.373
  region net GND: -31.902,5.309 -31.852,5.258 -30.048,5.258 -29.083,6.223 -27.178,6.223 -26.721,6.68 -26.797,6.756 -26.797,8.687 -27.534,9.423 -31.496,9.423 -31.674,9.246 -31.674,8.712 -31.902,8.484
  region net GND: -31.309,-3.958 -25.629,-3.962 -25.629,-8.382 -26.899,-9.652 -31.496,-9.652 -31.496,-7.925 -32.283,-7.137 -32.283,-5.664 -32.283,-5.461 -32.41,-5.283 -32.41,-3.988
  region net 5V: 19.609,8.636 19.634,8.611 19.634,2.184 21.641,2.184 22.022,2.565 22.022,7.061 22.022,13.97 19.355,13.97 19.355,8.56 19.533,8.56
Power:
  pour cut-out: -12.497,11.963 -13.005,12.471 -13.005,12.903 -16.358,16.256 -18.618,16.256 -21.311,18.948 -21.311,24.943 -21.234,24.943 cw(c-0.089,1.207) 23.647,22.352 23.647,20.117 17.602,14.072 16.231,14.072 14.122,11.963
GND1:
  rectangle net GND: -9.728,9.398 -7.366,13.183
  rectangle net GND: -8.153,12.725 5.004,13.183
  pour cut-out: -13.97,10.77 -13.97,13.919 -16.408,16.358 -18.669,16.358 -21.361,19.05 -21.361,25.044 -21.285,25.044 cw(c-0.14,1.308) 23.597,22.454 23.597,20.218 17.551,14.173 16.18,14.173 14.072,12.065 14.072,10.77
  region net GND: 6.985,9.525 6.452,9.576 5.994,10.16 5.613,11.252 3.708,11.43 2.591,11.684 2.54,12.725 3.124,13.056 5.004,13.056 6.629,12.268 7.569,10.617 7.442,9.677 7.01,9.525
Bottom:
  rectangle net 5V: -5.486,-27.432 -0.762,-20.803
  rectangle net 5V: 21.742,10.414 23.371,12.53
  rectangle net GND: -21.692,-16.967 -11.201,-16.434
  rectangle net 5V: 19.533,1.829 22.377,13.386
  rectangle net 5V: 19.482,12.243 23.371,13.945
  rectangle net 5V: -21.92,18.669 -21.006,20.168
  rectangle net 5V: -22.835,19.431 -20.98,21.361
  rectangle net FAN_5V: -24.282,16.815 -22.555,18.771
  rectangle net FAN_5V: -24.536,16.815 -23.546,20.218
  pour cut-out: -9.895,6.758 -13.883,10.746 -13.883,13.895 -16.321,16.334 -18.582,16.334 -21.274,19.026 -21.274,25.02 -21.198,25.02 cw(c-0.053,1.284) 23.684,22.43 23.684,20.194 17.639,14.149 16.267,14.149 14.159,12.041 14.159,6.351 10.603,2.795 10.603,0.941 9.053,-0.608 4.253,-0.608 0.163,3.481 -3.901,3.481 -7.177,6.758
  region net GND: 18.999,-13.106 21.488,-16.383 21.692,-16.84 21.692,-17.729 19.888,-19.533 17.958,-19.533 15.392,-16.967 15.392,-15.977 14.859,-15.443 14.859,-12.014 14.808,-11.963 14.834,-11.938 18.085,-11.938 18.085,-11.963 18.415,-12.294
  region net GND: 7.01,-21.031 7.493,-21.92 9.195,-24.536 9.195,-25.933 7.798,-27.33 5.893,-27.33 3.81,-25.248 3.81,-22.581 5.359,-21.031
  region net 5V_USB: 7.984,-9.586 7.976,-9.578 7.976,-9.246 7.645,-8.915 5.436,-8.915 4.089,-7.569 4.089,-6.604 10.617,-6.604 10.643,-6.579 13.818,-9.754 13.818,-14.732 13.34,-15.21 13.051,-15.21 10.363,-12.522 10.363,-11.278 9.881,-10.795 9.398,-10.795 9.398,-10.325 8.659,-9.586
  region net GND: -11.354,-16.789 -10.109,-18.034 -10.109,-18.364 2.921,-18.364 3.658,-17.628 3.658,-13.538 2.413,-12.294 -1.041,-12.294 -1.829,-11.506 -1.829,2.21 -2.743,3.124 -9.906,3.124 -11.354,1.676
  region net 5V: 5.859,-10.861 5.33,-10.861 5.207,-10.738 5.207,-10.284 -0.835,-10.284 -0.965,-10.414 -0.965,-11.43 5.207,-11.43 5.283,-11.354 5.867,-11.354 5.867,-10.878
  pour cut-out: 18.491,-0.889 21.006,-3.404 21.285,-3.404 21.285,-7.112 20.345,-8.052 19.431,-8.052 18.771,-7.391 18.771,-5.385 16.459,-5.385 15.824,-4.75 15.824,-4.216 15.443,-3.835 15.291,-3.988 0.33,-3.988 -0.889,-2.769 -0.889,0.686 0.864,2.438 0.864,5.842 4.42,9.398 4.42,10.287 6.071,10.287 8.153,8.204 8.153,7.493 7.544,6.883 7.544,6.096 7.62,6.096 8.052,5.664 7.595,5.207 7.595,4.343 5.944,2.692 5.69,2.184 5.309,1.676 4.013,0.381 4.013,-0.559 4.343,-0.889
  pour cut-out: 4.394,-12.624 8.534,-12.624 10.439,-14.529 10.566,-14.529 10.566,-15.291 11.455,-16.18 11.303,-16.332 11.303,-17.501 9.423,-17.501 8.763,-16.84 8.763,-16.18 8.23,-15.646 5.029,-15.646 3.886,-14.503 3.962,-14.427 3.962,-13.056
  region net GND: -31.928,8.382 -29.616,8.357 -28.346,7.163 -28.346,6.248 -28.829,5.842 -29.667,5.817 -30.124,5.182 -32.029,5.207 -31.928,8.357
  pour cut-out: 24.543,14.784 24.759,14.883 26.651,11.076 26.092,10.796 24.233,14.613
  region net GND: -32.36,-5.182 -27.457,-5.182 -26.416,-6.223 -26.416,-10.033 -27.61,-11.227 -30.886,-11.227 -31.14,-10.973 -31.14,-8.814 -32.055,-7.899 -32.055,-6.528 -32.36,-6.223
  pour cut-out: -21.076,10.058 -18.517,10.058 -18.517,1.803 -20.472,1.803 -26.695,-4.42 -31.953,-4.42 -31.953,0.883
  region net GND: 23.063,17.018 24.079,15.037 22.987,14.554 22.073,16.586 23.038,17.018
  region net GND: 26.314,10.389 27.33,8.407 26.238,7.925 25.324,9.957 26.289,10.389

## Silkscreen, mask and mechanical layers (free items; w line width, h text height)
Top Overlay:
  text "+5V" at -24.816,19.304 h1
  text "+" at -26.746,18.872 h2 r270
  text "G" at -21.209,14.605 h1
  text "-" at -26.492,13.614 h2
  text "FAN" at -24.511,12.497 h1
  text "Q-Wave Systems" at 23.698,10.719 h1 r270
  text "www.qwavesys.com" at 18.745,10.516 h1 r270
  text "QWA-62" at 25.375,3.023 h1 r270
  text "2020" at 21.565,2.21 h1 r270
  text "SeaBOX - HDMI Stick / PoE Version" at -24.181,0.406 h1 r270
  text "HDMI" at -27.254,-4.572 h1 r270
  text "Q-Wave Systems" at -30.277,-11.659 h1 r305
Bottom Overlay:
  text "PoE" at -1.321,32.309 h1 r180
  text "LAN 1Gbps" at -4.369,30.429 h1 r180
  text "PWR" at 23.165,20.828 h1 r120
  text "PWR IN" at 22.657,14.199 h1 r115
  text "+5V" at 27.508,6.833 h1 r100
  text "BT" at 31.979,0.051 h1
  text "QWA-62" at -27.432,-3.099 h1 r270
  text "ACT" at 29.693,-5.994 h1 r75
  text "WiFi" at 25.959,-7.391 h1
  text "HDMI" at -27.356,-7.925 h1 r270
  text "RESET" at 24.994,-11.176 h1 r60
  text "SeaBOX - HDMI Stick / PoE Version" at -24.409,-15.875 h1 r270
  text "USB" at 23.901,-19.558 h1 r50
  text "2.0" at 24.892,-20.777 h1 r50
  text "Q-Wave Systems" at -22.631,-22.454 h1 r305
  text "+5V" at 9.119,-29.286 h1 r10
  text "USB" at 2.794,-30.302 h1 r10
Mechanical 1:
  circle w0.254: c0.025,-0.152 r33
Mechanical 4:
  lines w0.02: -41.402,0 0,0 38.862,0
Mechanical 10:
  pour cut-out: -9.906,6.985 -13.894,10.973 -13.894,14.122 -16.332,16.561 -18.593,16.561 -21.285,19.253 -21.285,25.248 -21.209,25.248 cw(c-0.064,1.511) 23.673,22.657 23.673,20.422 17.628,14.376 16.256,14.376 14.148,12.268 14.148,6.579 10.592,3.023 10.592,1.168 9.042,-0.381 4.242,-0.381 0.152,3.708 -3.912,3.708 -7.188,6.985
  lines w0.254: -21.209,25.248 cw(c-0.064,1.511) 23.673,22.657 ; -11.405,-30.277 ccw(c1.049,-1.722) 26.783,-19.279
  lines w0.5: -21.285,25.248 -21.285,19.253 -18.593,16.561 -16.332,16.561 -13.894,14.122 -13.894,10.973 -9.906,6.985 -7.188,6.985 -3.912,3.708 0.152,3.708 4.242,-0.381 9.042,-0.381 10.592,1.168 10.592,3.023 14.148,6.579 14.148,12.268 16.256,14.376 17.628,14.376 23.673,20.422 23.673,22.657 ; -11.405,-30.277 -11.405,-19.38 26.797,-19.279
Mechanical 15:
  circle w0.254: c0,0 r33
Mechanical 16:
  circle w0.254: c0.051,0.076 r33

## Text inside footprints (layer, text, board x,y; h text height)
CM4: Top Overlay "PWR" at -8.602,21.761 h1 r270; Top Overlay "RAM" at -3.546,-18.954 h1 r270; Top Overlay "CPU" at -4.246,-3.154 h1 r270; Mechanical 4 "ETH" at 16.5,-4.751 h0.7 r270; Mechanical 4 "USB" at -16.9,-4.134 h0.7 r270; Mechanical 4 "DSI0" at -16.9,6.949 h0.7 r270; Mechanical 4 "TV" at -17,-2.751 h0.7 r270; Mechanical 4 "CAM0" at -18,0.783 h0.7 r270; Mechanical 4 "1V8" at 15.8,11.225 h0.7 r270; Mechanical 4 "CAM1" at -16.9,0.749 h0.7 r270; Mechanical 4 "SD" at 16.4,6.991 h0.7 r270; Mechanical 4 "PCIe" at -18,-3.051 h0.7 r270; Mechanical 4 "HDMI0" at -18,10.375 h0.7 r270; Mechanical 4 "5V" at 17,9.9 h0.7 r270; Mechanical 4 "DS1" at -17.5,13.049 h0.7 r270; Mechanical 4 "HDMI1" at -18.1,5.958 h0.7 r270; Mechanical 4 "3V3" at 15.8,8.625 h0.7 r270; Mechanical 4 "Wireless / Cutout" at -0.932,23.1 h0.9; Mechanical 4 "GPIO" at 16.5,0.625 h0.7 r270
USB1: Bottom Overlay "GND" at 8.674,-20.787 h1.02 r123; Bottom Overlay "D+" at 11.23,-19.127 h1.02 r123; Bottom Overlay "D-" at 12.934,-18.02 h1.02 r123; Bottom Overlay "VCC" at 15.49,-16.36 h1.02 r123